# Allegro board MB1248D.brd (continued)
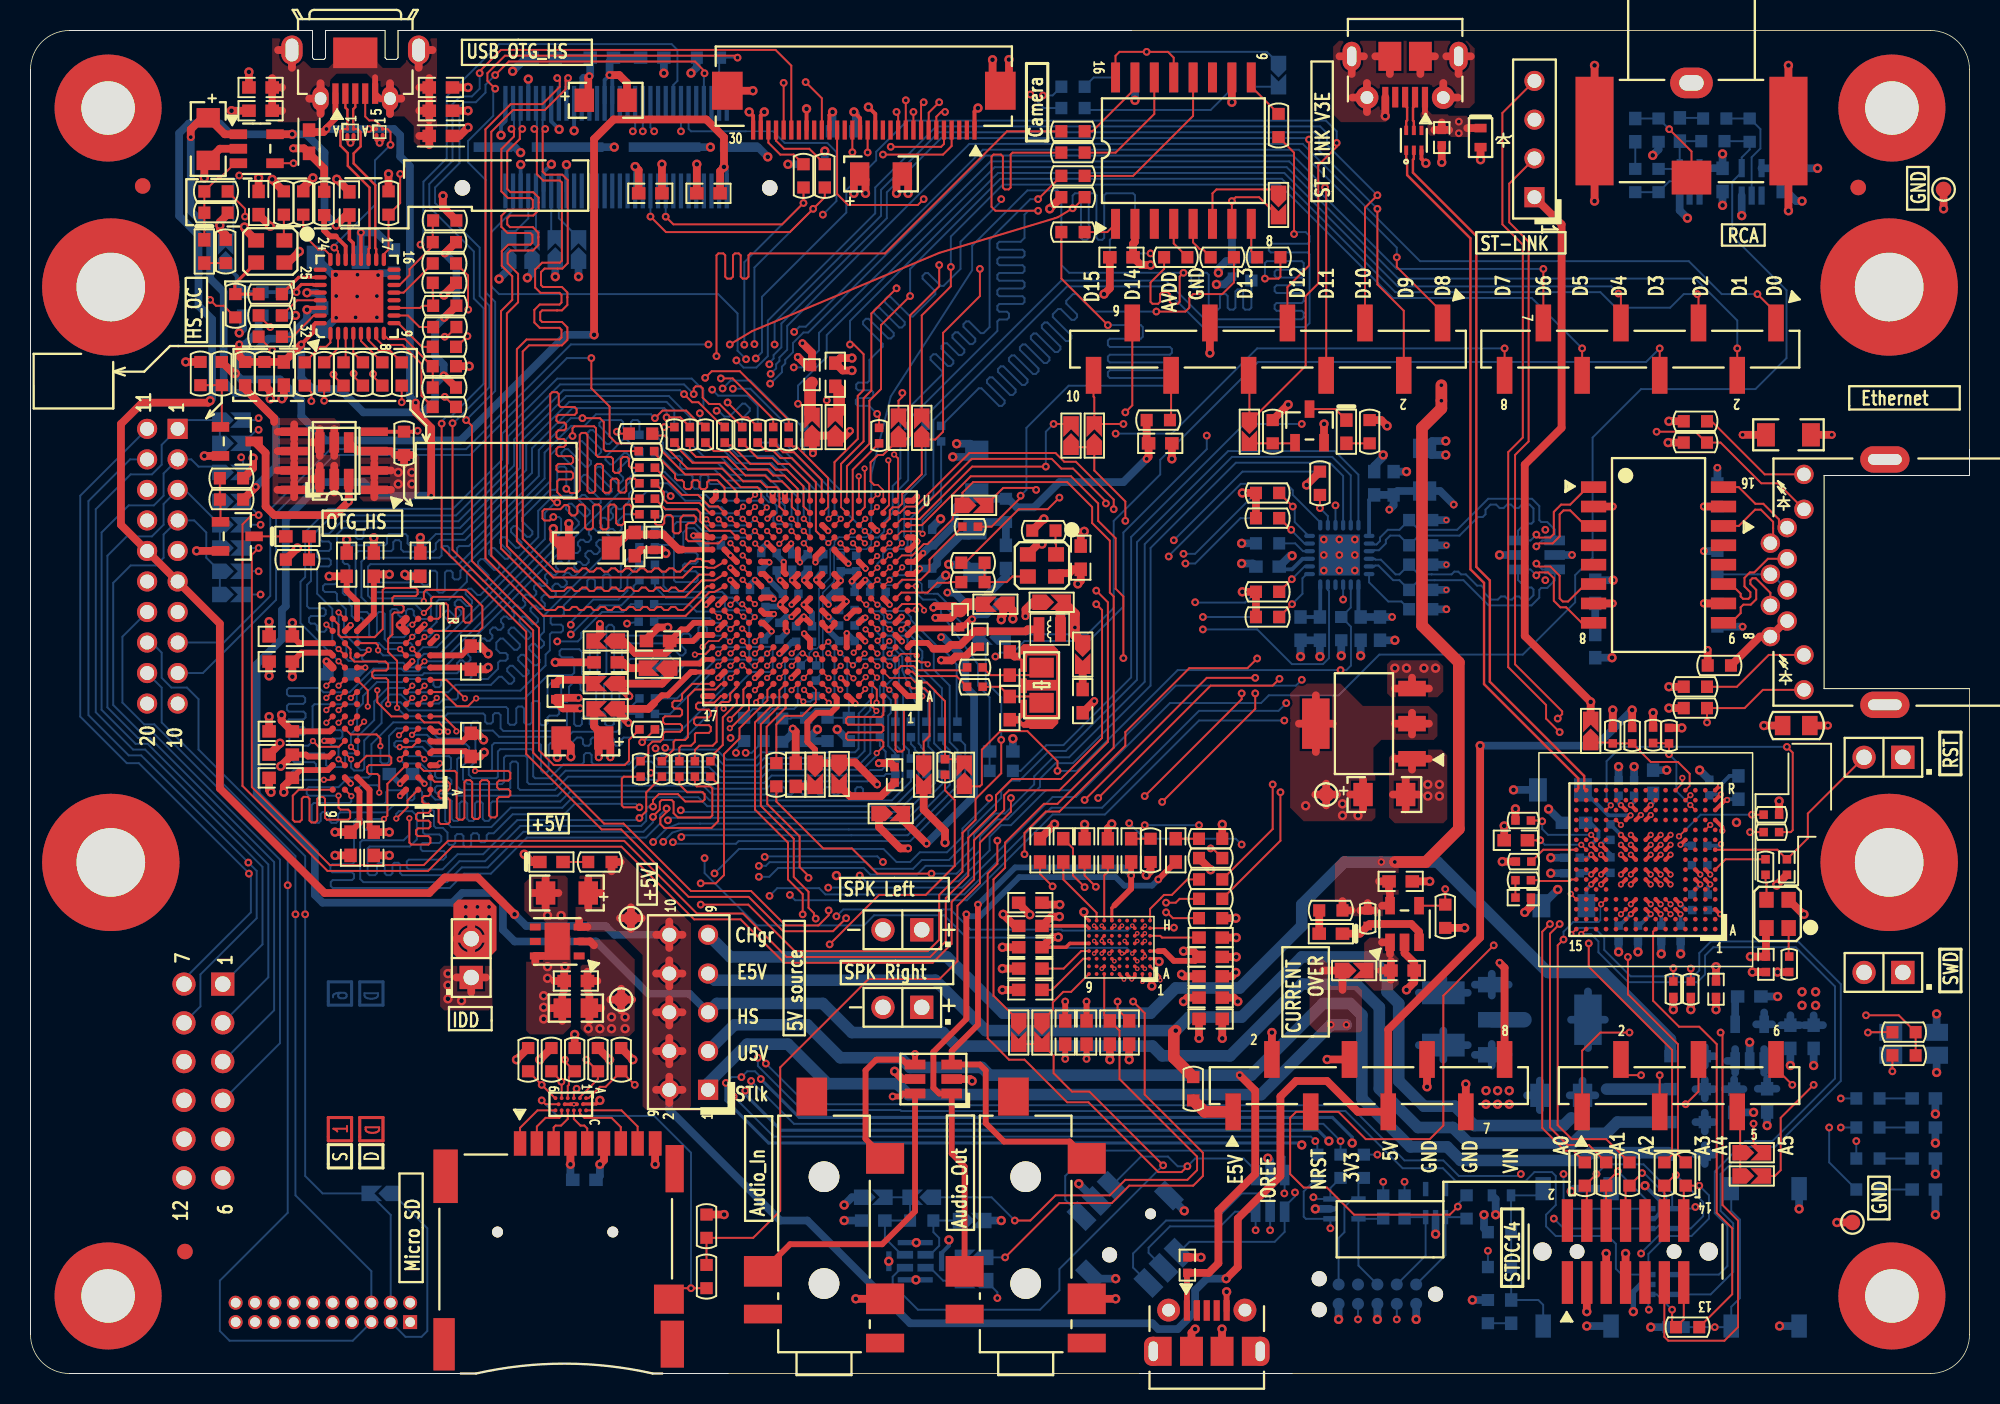
[diagram p0: board, top side]
## Routing (per net, layer and track width the routed paths; a pad name or vN(x,y) marks a point on that pad's centre or on a via; arc(x,y) is an arc through that point) (continued)
D15: length 46.3
  TOP w0.127: U7.R2 v2(25.01,49.07) ; v1(35.5,61.43) 35.5,61.94 35.63,62.07 36.91,62.07 37.04,61.94 37.04,60.19 37.17,60.06 38.02,60.06 38.15,59.93 38.15,59.15 38.28,59.02 38.53,59.02 38.66,59.15 38.66,59.91 38.81,60.06 39.07,60.06 39.19,59.93 39.19,59.48 39.32,59.35 R60.1
  BOTTOM w0.127: v2(25.01,49.07) 24.78,49.07 24.58,48.87 24.58,48.36 24.47,48.25 23.7,48.25 23.58,48.38 23.58,49.97 23.7,50.09 23.96,50.09 24.09,49.97 24.09,49.71 24.22,49.59 24.47,49.59 24.6,49.71 24.6,49.97 24.73,50.09 24.97,50.09 25.1,49.97 25.1,49.7 25.35,49.44 26.07,49.44 26.22,49.6 26.22,50.94 25.96,51.2 22.61,51.2 22.48,51.32 22.48,51.7 22.61,51.83 24.91,51.83 25.04,51.96 25.04,52.48 25.17,52.6 25.49,52.6 25.62,52.48 25.62,51.78 25.74,51.65 26,51.65 26.13,51.78 26.13,52.48 26.25,52.6 26.51,52.6 26.63,52.48 26.63,51.29 26.75,51.17 27.01,51.17 27.14,51.31 27.14,52.48 27.27,52.6 27.52,52.6 27.65,52.48 27.65,52.16 27.78,52.03 28.03,52.03 28.16,52.16 28.16,52.6 34.05,58.49 34.05,60.19 35.3,61.43 v1(35.5,61.43)
D16: length 43.6
  TOP w0.127: U7.E8 20.2,41.06 18.88,41.06 v2(18.5,41.44)
  BOTTOM w0.127: R152.2 39.27,58.74 39.27,58.43 27.11,46.27 25.66,46.27 25.4,46.01 24.47,46.01 24.29,46.19 22.46,46.19 20.9,44.64 19.19,44.64 18.9,44.92 16.92,44.92 16.79,44.79 16.79,44.51 16.92,44.38 17.86,44.38 17.99,44.26 17.99,44 17.86,43.88 16.92,43.88 16.79,43.75 16.79,43.5 16.92,43.37 17.89,43.37 18.01,43.24 18.01,42.99 17.89,42.86 16.92,42.86 16.79,42.73 16.79,42.48 16.92,42.35 17.89,42.35 18.01,42.23 18.01,41.97 17.89,41.84 17.07,41.84 16.95,41.72 16.95,41.26 17.07,41.14 18.19,41.14 v2(18.5,41.44)
D17: length 44.3
  TOP w0.127: U7.D7 v2(20.99,41.06)
  BOTTOM w0.127: R159.2 38.92,56.3 38.5,55.88 38.5,55.7 38.71,55.49 38.71,55.31 38.53,55.13 38.36,55.13 38.14,55.34 37.96,55.34 37.78,55.16 37.78,54.98 38,54.77 38,54.59 37.82,54.41 37.64,54.41 37.42,54.63 37.24,54.63 37.06,54.45 37.06,54.27 37.28,54.05 37.28,53.87 37.1,53.69 36.92,53.69 36.7,53.91 36.52,53.91 36.34,53.73 36.34,53.55 36.56,53.33 36.56,53.15 36.38,52.97 36.2,52.97 35.98,53.19 35.8,53.19 35.63,53.01 35.63,52.83 35.84,52.61 35.84,52.43 35.66,52.26 35.48,52.26 35.27,52.47 35.09,52.47 34.91,52.29 34.91,52.11 35.12,51.9 35.12,51.72 34.94,51.54 34.76,51.54 34.55,51.75 34.37,51.75 34.19,51.57 34.19,51.39 34.4,51.18 34.4,51 34.22,50.82 34.04,50.82 33.83,51.03 33.65,51.03 33.47,50.85 33.47,50.67 33.68,50.46 33.68,50.28 33.5,50.1 33.32,50.1 33.11,50.31 32.93,50.31 32.75,50.13 32.75,49.95 33.24,49.46 33.24,49.28 33.06,49.1 32.88,49.1 32.39,49.59 32.21,49.59 32.03,49.41 32.03,49.23 32.78,48.49 32.78,48.31 32.6,48.13 32.42,48.13 31.67,48.87 31.49,48.87 31.31,48.7 31.31,48.52 32.05,47.78 32.05,47.6 31.87,47.42 31.69,47.42 30.95,48.16 30.77,48.16 30.51,47.89 30.51,47.45 30.75,47.21 31.12,47.21 31.25,47.09 31.25,46.83 31.12,46.71 30.75,46.71 30.62,46.58 30.62,46.18 29.95,45.51 29.51,45.51 29.39,45.63 29.39,46.24 29.26,46.37 29.01,46.37 28.88,46.24 28.88,45.63 28.75,45.51 27.03,45.51 26.9,45.38 26.9,45.1 26.77,44.97 26.52,44.97 26.39,45.1 26.39,45.38 26.26,45.51 24.54,45.51 24.34,45.3 22.69,45.3 21.77,44.39 21.77,43.91 21.39,43.52 21.39,42.31 20.99,41.9 v2(20.99,41.06)
D18: length 35.6
  TOP w0.127: U7.D8 20.59,40.65 v2(21,40.25)
  BOTTOM w0.127: v2(21,40.25) 21,39.7 21.19,39.51 21.75,39.51 21.86,39.62 21.86,41.48 22.99,42.62 22.99,43.96 23.53,44.49 24.26,44.49 24.85,43.9 26.76,43.9 27.02,44.17 27.87,44.17 28,44.29 28,44.62 28.12,44.74 32.09,44.74 33.74,46.39 33.74,47.11 34.02,47.39 34.02,48.43 34.14,48.56 34.75,48.56 34.88,48.69 34.88,48.94 34.75,49.07 34.17,49.07 34.07,49.17 34.07,49.51 34.17,49.61 34.76,49.61 34.93,49.77 34.93,50.33 36,51.4 36.34,51.4 36.47,51.53 36.47,51.96 36.59,52.08 36.85,52.08 36.98,51.96 36.98,51.53 37.1,51.4 37.36,51.4 37.48,51.53 37.48,52.24 37.61,52.36 37.86,52.36 37.99,52.24 37.99,51.53 38.12,51.4 38.56,51.4 38.66,51.5 38.66,52.92 R165.2
D19: length 46.2
  TOP w0.127: v2(19.21,38.9) 19.64,38.9 U7.B9
  BOTTOM w0.127: v2(19.21,38.9) 17.25,38.9 17.12,39.03 17.12,39.42 17.25,39.55 18.57,39.55 18.7,39.67 18.7,39.93 18.57,40.06 17.28,40.06 17.15,40.18 17.15,40.5 17.28,40.63 19.23,40.63 19.36,40.5 19.36,39.87 19.49,39.74 20.48,39.74 20.6,39.87 20.6,40.5 20.73,40.63 21.24,40.63 21.44,40.83 21.44,41.75 22.51,42.81 22.51,44.03 23.4,44.92 24.47,44.92 24.75,44.64 27.35,44.64 27.84,45.12 30.15,45.12 30.68,45.65 30.86,45.65 31.32,45.2 31.5,45.2 31.68,45.38 31.68,45.56 31.22,46.01 31.22,46.19 31.4,46.37 31.58,46.37 32.27,45.69 32.45,45.69 32.63,45.87 32.63,46.05 31.94,46.73 31.94,46.91 32.12,47.09 32.3,47.09 32.99,46.41 33.17,46.41 33.35,46.59 33.35,46.77 32.66,47.45 32.66,47.63 32.84,47.81 33.02,47.81 33.27,47.56 33.45,47.56 33.63,47.74 33.63,47.92 33.38,48.17 33.38,48.35 33.63,48.6 33.63,49.67 39.25,55.28 R162.2
D20: length 44.4
  TOP w0.127: v2(20.17,40.25) 20.2,40.25 U7.C8
  BOTTOM w0.127: R154.2 39.2,57.65 39.2,57.14 38.7,56.64 38.52,56.64 38.37,56.79 38.19,56.79 38.01,56.61 38.01,56.43 38.16,56.28 38.16,56.1 37.98,55.92 37.8,55.92 37.65,56.07 37.47,56.07 37.29,55.89 37.29,55.71 37.44,55.56 37.44,55.38 37.26,55.2 37.08,55.2 36.93,55.35 36.75,55.35 36.57,55.17 36.57,54.99 36.72,54.84 36.72,54.66 36.54,54.48 36.36,54.48 36.21,54.63 36.03,54.63 35.85,54.45 35.85,54.27 36,54.12 36,53.94 35.82,53.76 35.64,53.76 35.49,53.91 35.31,53.91 35.13,53.73 35.13,53.55 35.28,53.4 35.28,53.22 35.1,53.04 34.92,53.04 34.77,53.19 34.59,53.19 34.41,53.01 34.41,52.83 34.56,52.68 34.56,52.5 34.38,52.33 34.2,52.33 34.05,52.48 33.87,52.48 33.69,52.3 33.69,52.12 33.84,51.97 33.84,51.79 33.66,51.61 33.48,51.61 33.33,51.76 33.15,51.76 32.98,51.58 32.98,51.4 33.13,51.25 33.13,51.07 32.95,50.89 32.77,50.89 32.62,51.04 32.44,51.04 32.26,50.86 32.26,50.68 32.41,50.53 32.41,50.35 32.23,50.17 32.05,50.17 31.9,50.32 31.72,50.32 31.54,50.14 31.54,49.96 31.69,49.81 31.69,49.63 31.51,49.45 31.33,49.45 31.18,49.6 31,49.6 30.82,49.42 30.82,49.24 30.97,49.09 30.97,48.91 30.79,48.73 30.61,48.73 30.46,48.88 30.28,48.88 30.1,48.7 30.1,48.52 30.25,48.37 30.25,48.19 30.07,48.01 29.89,48.01 29.74,48.16 29.56,48.16 29.38,47.98 29.38,47.8 29.53,47.65 29.53,47.47 29.35,47.29 29.17,47.29 29.02,47.44 28.84,47.44 28.66,47.26 28.66,47.08 28.81,46.93 28.81,46.75 28.63,46.57 28.45,46.57 28.3,46.72 28.12,46.72 27.94,46.54 27.94,46.37 28.09,46.22 28.09,46.04 27.94,45.89 25.79,45.89 25.66,45.76 22.53,45.76 21.37,44.59 21.37,44.08 21.14,43.85 18.6,43.85 18.47,43.73 18.47,42.28 18.6,42.15 20.3,42.15 20.43,42.03 20.43,41.73 20.3,41.61 19.79,41.61 19.66,41.48 19.66,41.23 19.79,41.1 20.05,41.1 20.17,40.97 v2(20.17,40.25)
D21: length 46
  TOP w0.127: U7.A9 17.57,38.25 17.18,37.86 17.18,36.29 17.3,36.16 17.64,36.16 17.77,36.29 17.77,37.66 17.89,37.78 18.15,37.78 18.27,37.66 18.27,36.23 18.4,36.11 18.65,36.11 18.78,36.23 18.78,37.66 18.91,37.78 19.16,37.78 19.29,37.66 19.29,36.41 19.42,36.29 20.81,36.29 20.93,36.41 20.93,36.82 20.81,36.95 20.3,36.95 20.17,37.07 v2(20.17,37.86)
  BOTTOM w0.127: v2(20.17,37.86) 18.22,37.86 18.09,37.99 18.09,38.29 18.22,38.42 20.17,38.42 20.81,39.05 22.13,39.05 22.33,39.26 22.33,41.24 23.76,42.67 28.22,42.67 28.35,42.54 28.35,42.13 28.48,42 28.73,42 28.86,42.13 28.86,42.58 28.99,42.71 29.29,42.71 29.42,42.58 29.42,42.25 29.55,42.13 30.28,42.13 30.69,41.72 35.18,41.72 35.51,42.05 38.41,42.05 38.69,42.33 38.69,42.97 38.94,43.22 R183.2
D22: length 40.6
  TOP w0.127: v2(22.84,38.06) 22.84,39.16 22.71,39.28 22.18,39.28 22.05,39.41 22.05,39.74 22.18,39.87 23.5,39.87 23.63,39.99 23.63,40.35 23.5,40.48 22.01,40.48 U7.C7 ; R88.2 38.86,39.1 38.73,38.98 38.73,37.23 38.86,37.1 v1(39.88,37.1)
  BOTTOM w0.127: v2(22.84,38.06) 22.84,38.42 22.71,38.55 21.65,38.55 21.52,38.42 21.52,37.45 21.65,37.33 23.17,37.33 23.3,37.45 23.3,38.09 23.42,38.22 24.54,38.22 24.67,38.09 24.67,37.68 24.8,37.56 25.01,37.56 25.14,37.68 25.14,38.09 25.27,38.22 25.52,38.22 25.65,38.09 25.65,37.62 26.42,36.84 26.42,35.88 26.55,35.75 27.01,35.75 27.31,35.45 27.31,34.76 27.44,34.63 27.69,34.63 27.82,34.76 27.82,35.22 27.94,35.35 28.23,35.35 28.35,35.22 28.35,34.61 28.48,34.48 28.74,34.48 28.86,34.61 28.86,35.27 28.99,35.4 29.24,35.4 29.37,35.27 29.37,34.94 29.5,34.81 29.75,34.81 29.88,34.94 29.88,35.27 30.01,35.4 30.33,35.4 31.58,36.64 34.96,36.64 35.64,37.33 39.65,37.33 v1(39.88,37.1)
D23: length 43.9
  TOP w0.127: R89.2 40.33,38.08 40.33,36.84 v1(39.88,36.4) ; U7.A8 20.59,38.25 v2(21.01,37.83)
  BOTTOM w0.127: v2(21.01,37.83) 21.01,37.48 20.91,37.38 18.55,37.38 18.42,37.25 18.42,36.21 18.55,36.08 18.88,36.08 19,36.21 19,36.67 19.13,36.79 19.46,36.79 19.59,36.67 19.59,36.21 19.72,36.08 20.02,36.08 20.15,36.21 20.15,36.64 20.27,36.77 23.3,36.77 23.78,37.25 25.38,37.25 25.71,36.92 25.71,35.45 25.84,35.32 26.78,35.32 26.9,35.19 26.9,34.89 26.78,34.76 25.68,34.76 25.56,34.63 25.56,34.36 25.68,34.23 27.07,34.23 27.2,34.1 27.2,33.84 27.03,33.67 24.77,33.67 24.64,33.54 24.64,33.16 24.77,33.03 26.98,33.03 27.97,34.02 29.65,34.02 31.88,36.26 39.74,36.26 v1(39.88,36.4)
D24: length 41.7
  TOP w0.127: U7.A2 24.69,37.56 24.69,37.1 v2(23.96,36.36) ; R90.1 42.5,38.6 43.01,38.09 44.02,38.09 44.15,37.96 44.15,37.61 44.02,37.48 42.88,37.48 42.4,37.96 41.15,37.96 40.77,37.58 v1(40.77,37.14)
  BOTTOM w0.127: v2(23.96,36.36) 23.96,36.67 24.13,36.84 25,36.84 25.3,36.54 25.3,34.99 24.85,34.53 22.2,34.53 22.08,34.41 22.08,32.78 22.2,32.65 22.56,32.65 22.69,32.78 22.69,33.34 22.82,33.47 23.07,33.47 23.2,33.34 23.2,32.78 23.33,32.65 23.58,32.65 23.71,32.78 23.71,33.34 23.83,33.47 24.09,33.47 24.21,33.34 24.21,32.78 24.34,32.65 27.18,32.65 28.1,33.57 29.77,33.57 32.09,35.88 39.99,35.88 40.33,36.22 40.33,36.98 40.49,37.14 v1(40.77,37.14)
D25: length 48.6
  TOP w0.127: R92.1 45.04,38.6 45.04,36.18 44.61,35.75 41.51,35.75 41.25,36.01 41.25,36.39 41.66,36.79 v1(41.66,37.02) ; v2(23.16,36.34) 23.37,36.55 23.37,38.64 U7.C3
  BOTTOM w0.127: v2(23.16,36.34) 22.45,36.34 22.32,36.21 22.32,35.75 22.19,35.63 21.94,35.63 21.81,35.75 21.81,36.21 21.68,36.34 21.32,36.34 21.19,36.21 21.19,33.49 21.06,33.36 19.77,33.36 19.64,33.24 19.64,32.97 19.77,32.84 21.06,32.84 21.19,32.71 21.19,32.46 21.06,32.33 19.79,32.33 19.66,32.2 19.66,31.94 19.79,31.82 27.46,31.82 28.4,32.75 30.15,32.75 32.52,35.12 40.31,35.12 41.23,36.04 41.23,36.59 v1(41.66,37.02)
D26: length 47.8
  TOP w0.127: v1(40.77,36.47) 40.77,36.51 41.22,36.96 41.22,37.45 41.34,37.58 41.99,37.58 42.12,37.45 42.12,36.72 42.4,36.44 44.53,36.44 44.66,36.56 44.66,38.34 44.53,38.47 43.64,38.47 43.52,38.6 R91.1 ; v2(24.81,36.38) 24.81,34.79 24.94,34.66 26.06,34.66 26.19,34.79 26.19,35.08 26.06,35.21 25.38,35.21 25.25,35.34 25.25,35.59 25.38,35.72 26.06,35.72 26.19,35.85 26.19,36.1 26.06,36.23 25.38,36.23 25.25,36.35 25.25,36.61 25.38,36.74 26.06,36.74 26.19,36.86 26.19,37.2 26.06,37.33 25.79,37.33 25.66,37.46 25.66,37.71 25.79,37.84 26.06,37.84 26.19,37.97 U7.A1
  BOTTOM w0.127: v2(24.81,36.38) 24.81,35.31 24.44,34.94 21.72,34.94 21.59,34.81 21.59,32.4 21.8,32.2 27.28,32.2 28.25,33.16 29.95,33.16 32.29,35.5 40.15,35.5 40.77,36.12 v1(40.77,36.47)
D27: length 43.9
  TOP w0.127: v2(29.11,39.49) 31.3,39.49 31.42,39.36 31.42,38.98 31.3,38.85 30.69,38.85 30.56,38.72 30.56,38.41 30.69,38.28 31.3,38.28 31.42,38.16 31.42,37.9 31.3,37.78 30.69,37.78 30.56,37.65 30.56,36.56 30.43,36.44 30.16,36.44 30.04,36.56 30.04,38.75 29.91,38.88 29.56,38.88 29.44,38.75 29.44,36.46 29.31,36.34 29.06,36.34 28.93,36.46 28.93,38.75 28.8,38.88 28.55,38.88 28.42,38.75 28.42,36.41 28.29,36.29 28.04,36.29 27.91,36.41 27.91,39.36 27.79,39.49 25.76,39.49 U7.C2
  BOTTOM w0.127: v2(29.11,39.49) 30.13,39.49 30.23,39.59 30.23,41.16 30.38,41.31 33.3,41.31 33.43,41.19 33.43,39.51 33.56,39.38 33.81,39.38 33.94,39.51 33.94,41.19 34.07,41.31 35.44,41.31 35.79,41.67 36.06,41.67 36.18,41.54 36.18,41.26 36.31,41.14 36.56,41.14 36.69,41.26 36.69,41.54 36.82,41.67 37.07,41.67 37.2,41.54 37.2,41.26 37.33,41.14 37.58,41.14 37.71,41.26 37.71,41.54 37.83,41.67 38.09,41.67 38.21,41.54 38.21,41.26 38.34,41.14 38.6,41.14 38.72,41.26 38.72,41.54 38.85,41.67 39.35,41.67 R195.1
D28: length 44.3
  TOP w0.127: U7.B1 26.47,38.77 27.34,38.77 27.46,38.65 27.46,38.33 27.34,38.2 26.85,38.2 26.73,38.07 26.73,37.82 26.85,37.69 27.34,37.69 27.46,37.57 27.46,36.13 27.34,36.01 26.86,36.01 26.73,36.13 v2(26.73,37.14)
  BOTTOM w0.127: R187.1 57.66,41.25 57.92,41 57.92,40.88 58.17,40.63 58.17,38.75 56.6,37.17 44.32,37.17 43.74,37.76 35.52,37.76 34.83,37.07 31.45,37.07 30.18,35.8 27.56,35.8 27.16,36.21 27.16,37.02 27.03,37.14 v2(26.73,37.14)
D29: length 49.1
  TOP w0.127: v2(25.8,40.25) U7.D2
  BOTTOM w0.127: R188.1 56.65,41.19 57.12,40.72 57.12,38.89 56.16,37.94 54.66,37.94 54.53,38.06 54.53,38.29 54.4,38.42 54.15,38.42 54.02,38.29 54.02,38.06 53.9,37.94 53.64,37.94 53.52,38.06 53.52,38.29 53.39,38.42 53.13,38.42 53.01,38.29 53.01,38.06 52.88,37.94 52.63,37.94 52.5,38.06 52.5,38.29 52.37,38.42 52.12,38.42 51.99,38.29 51.99,38.06 51.86,37.94 51.61,37.94 51.48,38.06 51.48,38.29 51.36,38.42 51.1,38.42 50.98,38.29 50.98,38.06 50.85,37.94 50.59,37.94 50.47,38.06 50.47,38.29 50.34,38.42 50.09,38.42 49.96,38.29 49.96,38.06 49.83,37.94 49.58,37.94 49.45,38.06 49.45,38.29 49.32,38.42 49.07,38.42 48.94,38.29 48.94,38.06 48.82,37.94 44.64,37.94 44.06,38.52 35.18,38.52 34.52,37.86 27.87,37.86 27.73,38 26.62,38 26.5,38.12 26.5,38.38 26.62,38.51 27.44,38.51 27.56,38.63 27.56,38.89 27.44,39.01 26.62,39.01 26.5,39.14 26.5,39.39 26.62,39.52 27.41,39.52 27.54,39.65 27.54,40.32 27.41,40.45 26.27,40.45 25.66,41.06 24.72,41.06 24.57,40.91 24.57,40.65 24.77,40.45 25.6,40.45 v2(25.8,40.25)
D30: length 44.4
  TOP w0.127: v2(24.18,40.25) U7.D3
  BOTTOM w0.127: R200.1 57.66,38.8 56.42,37.56 44.48,37.56 43.9,38.14 35.36,38.14 34.7,37.48 30.25,37.48 30.13,37.35 30.13,36.34 30,36.21 29.75,36.21 29.62,36.34 29.62,37.35 29.49,37.48 29.24,37.48 29.11,37.35 29.11,36.34 28.98,36.21 28.73,36.21 28.6,36.34 28.6,37.35 28.48,37.48 28.22,37.48 28.1,37.35 28.1,36.34 27.97,36.21 27.71,36.21 27.59,36.34 27.59,37.51 27.49,37.61 26.51,37.61 26.21,37.91 26.21,39.32 25.56,39.97 24.46,39.97 v2(24.18,40.25)
D31: length 42.7
  TOP w0.127: U7.E2 24.98,41.04 v2(24.18,41.04)
  BOTTOM w0.127: R201.1 56.03,39.28 55.91,39.16 55.18,39.16 54.82,38.8 48.7,38.8 48.22,38.32 44.8,38.32 44.21,38.9 40.36,38.9 40.16,39.1 35.21,39.1 34.35,38.24 32.06,38.24 31.93,38.37 31.93,39.97 31.8,40.1 31.55,40.1 31.42,39.97 31.42,38.37 31.3,38.24 28.17,38.24 27.94,38.47 27.94,40.25 28.05,40.35 28.25,40.35 28.35,40.45 28.35,40.76 28.25,40.86 26.45,40.86 25.86,41.44 23.96,41.44 23.83,41.31 23.83,41.13 23.92,41.04 v2(24.18,41.04)
DCMI_D0: length 192.8
  TOP w0.102: U6.F14 46.64,48.81 v2(46.61,48.81)
  TOP w0.127: P1.4 60.33,80.43 59.77,79.87 v1(55.83,79.87)
  L4_SIG w0.102: CN17.10 19.78,9.57 15.45,13.91 15.45,19.42 13.16,21.71 12.02,21.71 11.26,22.47 11.26,24.31 P3.7 ; v1(55.83,79.87) 54.54,81.17 49.99,81.17 49.33,81.83 38.85,81.83 37.52,80.5 37.52,79.36 37.52,79.36 37.52,79.11 37.52,79.11 37.52,78.86 34.74,76.08 17.74,76.08 16.97,76.85 13.62,76.85 12.92,76.15 12.92,72.24 13.42,71.74 13.42,69.05 12.37,68.01 12.37,66.52 9.03,63.17 8.07,63.17 7.64,62.74 P2.11 ; v2(46.61,48.81) 46.51,48.81 46.03,48.33 43.41,48.33 41.1,46.01 41.1,43.42 42.32,42.2 42.32,39.59 42.32,39.59 42.32,38.84 42.32,38.84 42.32,38.4 43.41,37.3 43.41,34.63 41.71,32.93 32.16,32.93 30.79,34.3 25.89,34.3 23.63,32.04 17.56,32.04 17.1,32.5 14.56,32.5 v1(14.31,32.75)
  BOTTOM w0.127: P2.11 3.26,57.52 3.26,43.04 6.3,39.99 7.09,39.99 14.31,32.78 v1(14.31,32.75) 14.43,32.63 14.43,30.21 10.05,25.83 P3.7
DCMI_D1: length 199
  TOP w0.102: U6.F13 v2(47.45,47.98)
  TOP w0.127: P1.5 59.83,80.57 59.64,80.38 v1(56.34,80.38)
  L4_SIG w0.102: P2.17 5.87,51.66 5.87,61.4 8.01,63.54 8.97,63.54 12.07,66.64 12.07,68.14 13.11,69.18 13.11,71.62 11.92,72.81 11.92,75.58 13.49,77.15 17.1,77.15 17.87,76.38 34.61,76.38 37.22,78.98 37.22,79.24 37.22,80.62 38.73,82.13 49.46,82.13 50.12,81.47 55.25,81.47 v1(56.34,80.38) ; v1(16.85,31.99) 17.1,31.74 23.83,31.74 26.07,33.97 30.69,33.97 32.03,32.63 41.94,32.63 43.72,34.41 43.72,37.43 42.63,38.52 42.63,38.96 42.63,39.47 42.63,39.47 42.63,43.35 42.12,43.86 42.12,46.6 43.52,47.99 44.66,47.99 45.05,47.6 46.08,47.6 46.26,47.78 46.26,48.17 46.46,48.38 47.05,48.38 v2(47.45,47.98)
  BOTTOM w0.127: P2.17 6.02,48.28 6.02,43.96 7.45,42.53 8.11,42.53 16.85,33.8 v1(16.85,31.99) 16.85,10.53 12.4,6.08 12.4,2.78 13.04,2.15 21.1,2.15 CN17.5
DCMI_D2: length 100.4
  TOP w0.102: U6.A9 50.67,44.78 v2(50.67,44.79)
  TOP w0.127: P1.6 59.33,82.35 59.64,82.67 v1(59.9,82.67)
  L4_SIG w0.102: v2(50.67,44.79) 51.52,43.94 51.52,43.93 52.46,42.99 52.73,42.99 53.32,42.4 53.32,42 53.19,41.88 53.19,34.27 53.9,33.56 53.9,33.03 v1(54.31,32.63) ; v1(59.9,82.67) 59.9,78.51 68.76,69.65 72.19,69.65 83.1,58.74 83.1,58.02 83.67,57.45 83.67,45.86 v1(83.27,45.45)
  BOTTOM w0.127: v1(54.31,32.63) 54.69,32.25 60.79,32.25 62.82,34.28 62.82,35.17 63.58,35.93 64.22,35.93 66.5,38.22 68.15,38.22 75.01,45.07 82.89,45.07 v1(83.27,45.45)
DCMI_D3: length 139.1
  TOP w0.102: v2(46.64,47.99) 46.64,47.98 47.03,47.59 U6.E14
  TOP w0.127: U13.A1 36.55,18.04 37.29,18.78 37.67,18.78 R119.2 v1(39.58,18.91) ; P1.7 58.83,82.61 v1(59.52,83.3)
  L4_SIG w0.102: v2(46.64,47.99) 47.01,47.63 47.01,46.03 46.8,45.82 46.8,45.38 46.56,45.14 46.56,43.57 47.13,43.01 47.14,43.01 47.55,42.59 47.55,41.86 48.19,41.23 48.19,39.82 49.13,38.88 49.13,33.41 48.98,33.26 48.98,32.34 48.4,31.77 v1(48.4,31.29) 48.4,27.84 48.6,27.65 48.6,19.35 46.33,17.08 41.41,17.08 v1(39.58,18.91) ; v1(59.52,83.3) 59.47,83.25 59.47,78.51 68.69,69.29 72.12,69.29 82.76,58.65 82.76,57.34 83.11,56.98 83.11,47.59 82.7,47.18 82.7,44.89 82.25,44.44 v1(82.25,43.93)
  BOTTOM w0.127: v1(48.4,31.29) 48.91,31.8 51.65,31.8 52.06,31.39 61.17,31.39 66.79,37.01 66.82,37.01 66.88,37.07 70.19,37.07 76.54,43.42 81.74,43.42 v1(82.25,43.93)
DCMI_D4: length 139.5
  TOP w0.127: R116.2 34.77,19.15 v1(34.77,19.12) 34.79,19.1 U13.A5 ; U6.B13 v2(47.45,44.78) ; v1(58.5,83.3) 58.33,83.13 P1.8
  L4_SIG w0.102: v2(47.45,44.78) 47.17,44.5 47.17,43.82 47.38,43.62 47.46,43.62 48.47,42.6 48.47,42.24 49.1,41.6 49.1,40.2 50.04,39.26 50.04,33.04 49.89,32.88 49.89,31.51 v1(49.74,31.36) 49.74,30.77 49.53,30.57 49.53,19 46.71,16.17 40.42,16.17 37.34,19.24 36.66,19.24 36.48,19.42 35.08,19.42 v1(34.77,19.12) ; v1(82.12,42.79) 81.62,43.3 81.62,44.44 82.25,45.07 82.25,46.09 82,46.34 82,58.98 72.79,68.19 69.36,68.19 58.88,78.67 58.88,82.92 v1(58.5,83.3)
  BOTTOM w0.127: v1(49.74,31.36) 50.09,31.01 61.33,31.01 66.95,36.63 70.38,36.63 76.54,42.79 v1(82.12,42.79)
DCMI_D5: length 181.3
  TOP w0.127: v1(43.9,32.12) 44.89,32.12 45.42,32.65 45.42,40.58 46.44,41.6 46.44,42.28 48.26,44.11 48.26,44.79 U6.B12 ; P1.9 v1(57.83,82.67)
  L4_SIG w0.102: P2.18 5.57,49.97 5.57,61.53 7.98,63.95 8.94,63.95 11.77,66.77 11.77,68.26 12.81,69.31 12.81,71.49 11.61,72.68 11.61,75.71 13.37,77.46 17.22,77.46 18,76.69 34.49,76.69 36.91,79.11 36.91,80.75 39.29,83.12 48.9,83.12 49.84,82.18 57.35,82.18 v1(57.83,82.67) ; v1(17.99,30.09) 24.85,30.09 27.06,32.3 30.08,32.3 31.4,30.98 42.75,30.98 v1(43.9,32.12)
  BOTTOM w0.127: CN17.4 23.59,10.39 SB40.1 19.13,11.8 17.99,12.94 v1(17.99,30.09) 17.99,33.9 11,40.88 11,44.18 10.24,44.95 9.23,44.95 8.59,45.58 8.59,47.23 7.93,47.9 P2.18
DCMI_D6: length 155.6
  TOP w0.102: v2(54.63,47.18) 54.63,47.16 U6.D5
  TOP w0.127: v1(57.33,83.43) P1.10
  L4_SIG w0.102: v1(77.04,61.46) 77.04,63.5 72.74,67.81 69.31,67.81 58.37,78.74 58.37,82.73 57.68,83.43 v1(57.33,83.43) 56.87,83.89 48.17,83.89 47.52,84.54 47.12,84.54 46.57,83.99 39.2,83.99 35,79.79 33.56,79.79 32.5,78.74 30.1,78.74 29.89,78.94 27.68,78.94 26.21,77.47 18.07,77.47 17.35,78.2 16.64,78.2 16.01,78.83 14.66,78.83 13.9,78.07 13.11,78.07 11,75.96 11,72.43 12.2,71.24 12.2,70.17 4.96,62.93 4.96,46.58 P2.20 ; v1(63.2,46.98) 62.44,47.74 61.04,47.74 60.65,47.35 58.52,47.35 58.34,47.53 54.99,47.53 v2(54.63,47.18)
  BOTTOM w0.127: v1(63.2,46.98) 63.45,47.23 64.34,47.23 65.11,47.99 69.32,47.99 71.58,50.26 71.58,55.11 77.04,60.57 v1(77.04,61.46)
DCMI_D7: length 198.5
  TOP w0.102: U6.D4 55.47,46.38 v2(55.47,46.35)
  TOP w0.127: P1.11 56.83,82.41 56.72,82.52 v1(56.72,82.67)
  L4_SIG w0.102: v2(55.47,46.35) 55.78,46.35 56.14,45.99 57.33,45.99 58.25,45.07 59.24,45.07 59.24,45.07 59.36,45.07 60.19,44.25 60.19,40.31 v1(62.79,37.71) ; v1(44.8,32.77) 44.66,32.63 43.72,32.63 42.5,31.41 31.42,31.41 30.23,32.6 26.93,32.6 24.85,30.52 17.78,30.52 v1(17.35,30.09) ; v1(56.72,82.67) 55.92,83.47 39.2,83.47 36.4,80.67 36.4,79.24 35.6,78.43 29.97,78.43 29.76,78.64 27.8,78.64 26.33,77.17 17.95,77.17 17.35,77.76 13.24,77.76 11.31,75.83 11.31,72.56 12.5,71.36 12.5,69.43 11.43,68.37 11.43,66.87 8.94,64.38 7.98,64.38 5.26,61.66 5.26,48.27 P2.19
  BOTTOM w0.127: v1(44.8,32.77) 46.4,34.37 53.62,34.37 55.7,34.37 55.87,34.37 56.72,33.52 57.61,33.52 58.25,34.15 60.03,34.15 61.04,35.17 61.04,35.71 62.79,37.46 v1(62.79,37.71) ; CN17.6 22.32,6.7 17.35,11.67 v1(17.35,30.09) 17.35,33.9 8.59,42.66 8.59,44.94 P2.19
DSI_VDD12: length 7.5
  TOP w0.356: U6.N17 42.68,53.99
  TOP w0.508: 42.68,53.99 42.45,53.99 41.46,54.98 C19.1 39.71,54.98 C20.1 39.22,55.11 38.21,54.09 C21.2
E5V: length 88
  TOP w0.762: R120.1 74.88,20.69 74.88,22.34 v4(75.01,22.47)
  BOTTOM w0.508: 100.91,23.18 U19.4 ; U19.4 102.01,21.32 ; U19.4 102.01,25.03 ; U19.4 103.12,23.18 ; 101.66,17.26 C146.1 ; C146.1 101.66,19.19 ; C146.1 100.82,18.23 ; C146.1 102.49,18.23
  BOTTOM w0.762: D6.1 103.23,18.63 ; JP6.7 44.82,25.77 59.26,25.77 62.57,22.47 v4(75.01,22.47) 75.9,23.36 79.33,23.36 83.27,27.29 87.71,27.29 88.85,26.15 88.85,25.01 89.62,24.25 89.62,19.17 91.27,17.51 93.3,17.51 94.57,16.24 100.41,16.24 100.92,16.75
  BOTTOM w1.016: U19.2 97.82,23.18
EGND: length 2.6
  TOP w0.508: C17.1 v1(117.98,61.51) ; R81.1 v1(117.73,42.46)
LED_STLK: length 29.9
  TOP w0.102: U9.D15 v2(100.89,31.43)
  TOP w0.127: v1(120.22,23.47) 122.37,23.47 R113.2 R114.2
  L4_SIG w0.102: v1(120.22,23.47) 119.54,22.79 111.27,22.79 111.08,22.98 107.78,22.98 102.7,28.06 102.7,28.69 100.89,30.5 v2(100.89,31.43)
MCO: length 1.1
  TOP w0.127: R104.2 C55.2
MIC_CLK: length 4.3
  BOTTOM w0.127: U21.3 58.93,6.93 59.77,6.08 61.04,6.08 61.04,7.61
MIC_DATA: length 38.1
  TOP w0.127: SB21.1 SB22.1 67.01,20.82 67.01,19.67 68.22,18.47 69.36,18.47 v1(74.19,13.64)
  BOTTOM w0.127: v1(74.19,13.64) 67.39,6.85 67.39,5.45 66.12,4.18 58.12,4.18 56.47,5.83 56.47,6.34 57.06,6.93 U21.4
NCS2: length 81.7
  TOP w0.127: SB47.1 80.47,77.08 78.94,77.08 v1(78.69,76.82) U3.7 ; v1(45.8,67.43) 47.26,68.3 59.52,73.43 65.63,75.26 67.1,75.7 67.3,75.77 v1(68.26,76.35) 68.41,76.44 R8.1
  L4_SIG w0.102: v1(68.26,76.35) 77.33,76.35 77.81,76.82 v1(78.69,76.82) ; v1(39.07,49.14) 41.94,56.88 42.37,57.32 42.37,58.16 42.37,58.99 45.55,62.17 45.84,62.17 46.74,63.07 46.74,64.89 45.8,66.2 v1(45.8,67.43)
  BOTTOM w0.127: v1(68.26,76.35) 68.26,77.18 68.41,77.33 68.67,77.33 68.8,77.2 68.8,74.41 68.93,74.28 69.18,74.28 69.31,74.41 69.31,77.2 69.44,77.33 69.69,77.33 69.82,77.2 69.82,74.41 69.94,74.28 70.2,74.28 70.33,74.41 70.33,77.2 70.45,77.33 72.22,77.33 72.34,77.2 U14.7 ; R176.2 v1(39.07,49.14)
NETB2_2: length 12.8
  BOTTOM w0.127: B2.3 99.08,4.5 98.76,4.81 C151.1 R215.1 R214.1 96.97,9.27 D10.1 98.64,11.67 B2.2
NETC1_1: length 41.2
  TOP w0.381: 22.57,84.94 CN1.5 22.92,83.51 23.52,83.51 CN1.7
  TOP w0.508: 25.42,85.56 CN1.8 26.32,86.72 ; 25.47,82.74 C5.1 ; C5.1 26.12,83.35 ; C5.1 26.12,82.13 ; CN1.7 24.28,83.54 ; CN1.7 23.55,84.54 ; CN1.7 23.55,82.54 ; 15.83,83.35 C4.1 16.48,82.74 ; 26.12,80.48 L1.2 ; L1.2 26.12,81.7 ; L1.2 25.47,81.09 ; C1.1 16.48,84.27 ; C1.1 15.83,84.88 ; C1.1 15.83,83.66 ; 17.12,85.56 CN1.9 16.22,86.72 ; 18.26,83.54 CN1.6 ; CN1.6 19,84.54 ; CN1.6 19,82.54 ; C2.1 26.12,84.88 ; C2.1 26.12,83.66 ; C2.1 25.47,84.27
  L4_SIG w0.508: 25.42,85.56 CN1.8 26.32,86.72 ; 19,82.54 CN1.6 ; CN1.6 18.26,83.54 ; CN1.6 19,84.54 ; 22.81,83.54 CN1.7 ; CN1.7 23.55,82.54 ; CN1.7 24.28,83.54 ; CN1.7 23.55,84.54 ; 17.12,85.56 CN1.9 16.22,86.72
  BOTTOM w0.508: CN1.7 23.55,84.54 ; CN1.7 24.28,83.54 ; CN1.7 22.81,83.54 ; CN1.7 23.55,82.54 ; 17.12,85.56 CN1.9 16.22,86.72 ; CN1.6 19,84.54 ; CN1.6 18.26,83.54 ; CN1.6 19,82.54 ; 25.42,85.56 CN1.8 26.32,86.72
NETC3_1: length 9.2
  TOP w0.508: v1(36.6,85.01) 36.53,84.93 36.53,83.68 C3.1
  BOTTOM w0.254: CN15.23 v1(36.6,85.01)
  BOTTOM w0.305: CN15.21 36.1,84.91 36.2,85.01 v1(36.6,85.01)
  BOTTOM w0.508: v1(36.6,85.01) 36.66,85.06 C76.1 L5.2
NETC3_2: length 9.4
  TOP w0.508: v1(37.93,85.08) 38.56,85.08 39.07,84.57 C3.2
  BOTTOM w0.254: CN15.29 38.1,84.9 v1(37.93,85.08) 37.6,84.76 CN15.27
  BOTTOM w0.508: L4.2 C76.2 37.93,85.97 v1(37.93,85.08)
